# Altium PCB CM4-Tower.PcbDoc (part 8 of 10) (continued)
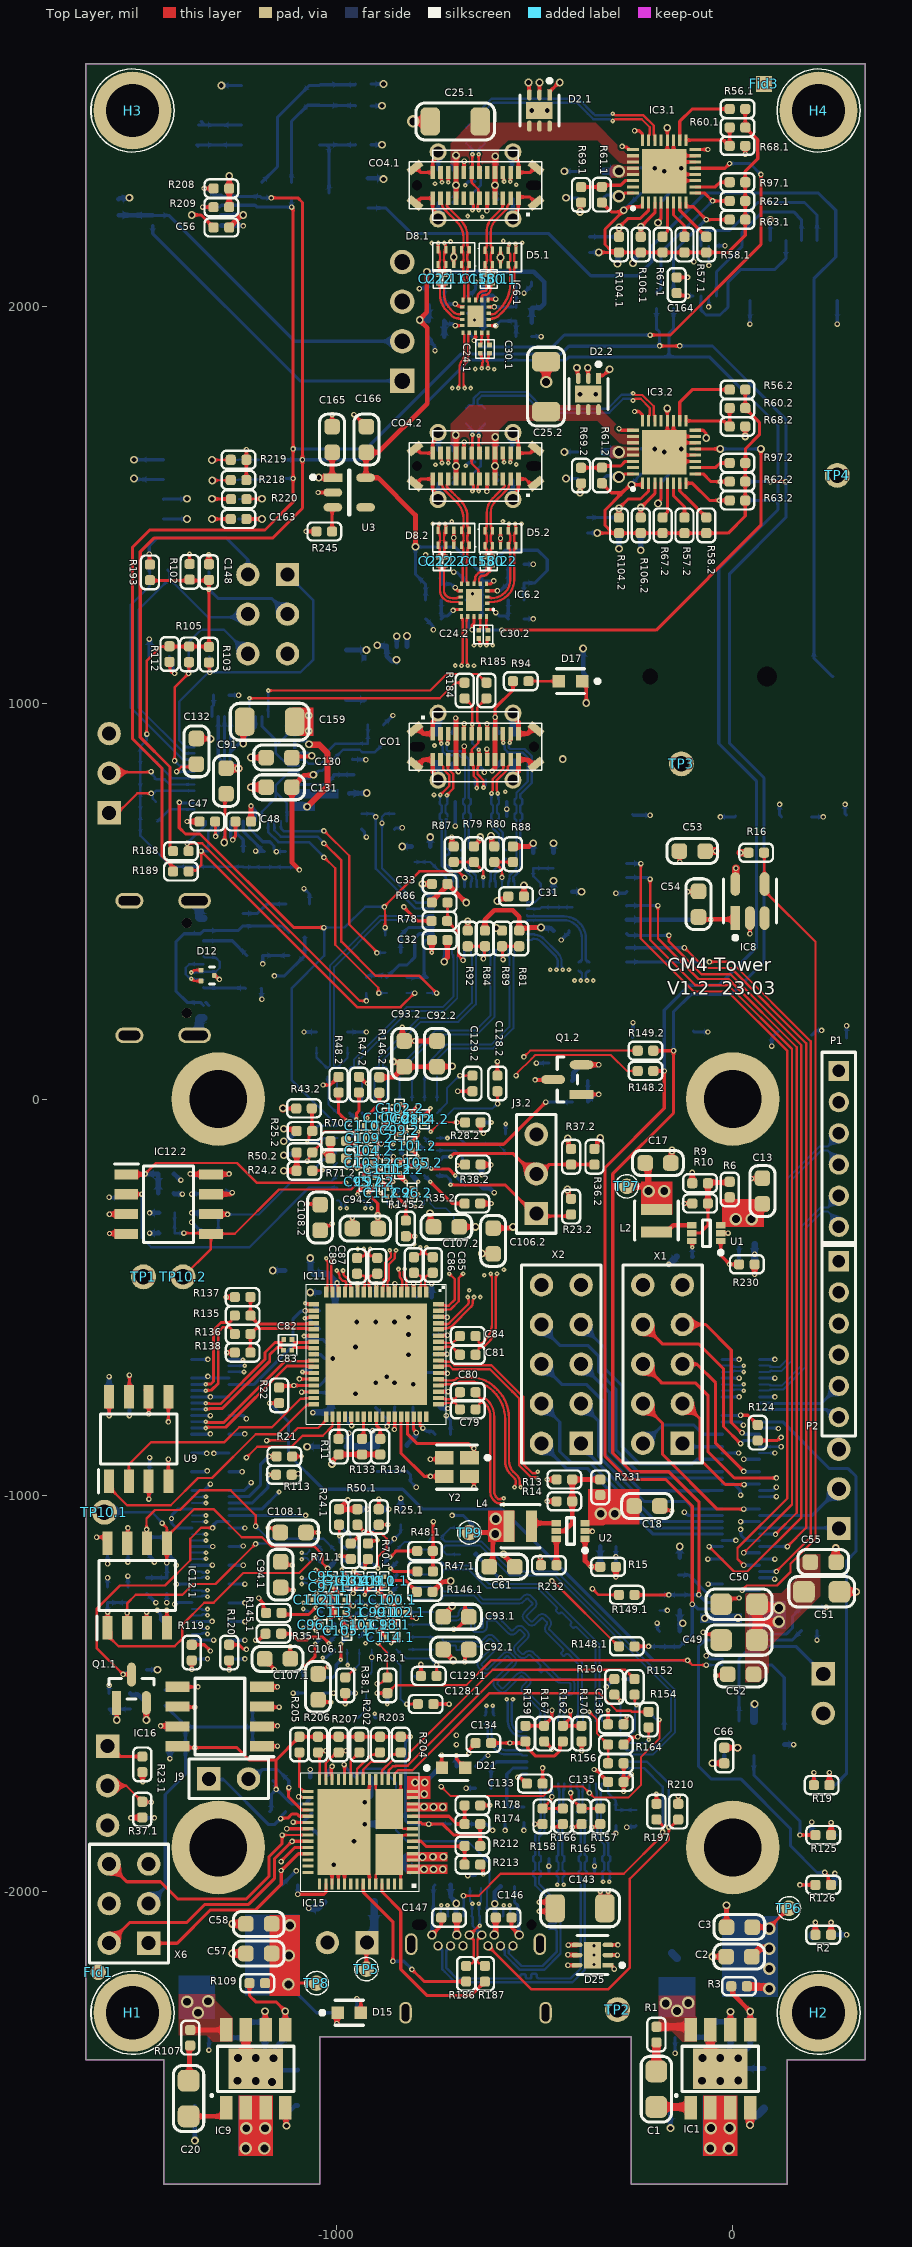
[diagram p0: Top Layer view]
## Nets (pads, with @x,y where several pads share a name; then routed paths per layer and width w, separated by ;. In a path a pad name is that pad's centre, name@x,y a point inside that pad or via, vN(x,y) a via of type N, cw(c..) or ccw(c..) an arc to the next point about the centre after c; other vN are vias at no path point) (continued)
TX1_DFP.2_N: C158.2.1 CO4.2.3 D5.2.1 D5.2.10 | length 221.7
  Top Layer w5.91: C158.2.1@-625.98,1368.7 ccw(c-637.87,1380.58) -621.06,1380.58 -621.06,1385.15 ccw(c-626.97,1385.15) -622.79,1389.32 -624.52,1391.05 -625,1391.05 cw(c-622.62,1393.43) -625.98,1393.43 D5.2.1@-625.98,1397.45 -625.98,1401.47 cw(c-622.62,1401.47) -625,1403.85 -624.52,1403.85 -622.79,1405.58 ccw(c-626.97,1409.75) -621.06,1409.75 -621.06,1420.1 ccw(c-632.87,1420.1) -624.52,1428.45 -625,1428.45 -625.49,1428.95 cw(c-624.3,1430.14) -625.98,1430.14 D5.2.10@-625.98,1434.85 -625.98,1439.57 cw(c-624.3,1439.57) -625.5,1440.75 -625,1441.25 -624.52,1441.25 ccw(c-632.87,1449.6) -621.06,1449.6 -621.06,1480.75 cw(c-570.14,1480.75) -606.15,1516.76 -596.51,1526.4 ; -595.11,1527.8 -585.07,1537.83 ccw(c-589.25,1542.01) -584.71,1538.23 cw(c-555.12,1513.78) -579.6,1543.34 ccw(c-583.35,1547.91) -579.2,1543.7 -575.79,1547.12 -575.79,1547.24 ccw(c-582.44,1547.24) -577.74,1551.95 -578.25,1552.46 cw(c-572.31,1558.4) -580.71,1558.4 CO4.2.3@-580.71,1565.75
TX1_DFP.2_P: C150.2.1 CO4.2.2 D5.2.2 D5.2.9 | length 223.7
  Top Layer w5.91: D5.2.9@-606.79,1428.95 -607.28,1428.45 -607.76,1428.45 ccw(c-599.41,1420.1) -611.22,1420.1 -611.22,1409.75 ccw(c-605.31,1409.75) -609.49,1405.58 -607.76,1403.85 -607.28,1403.85 cw(c-609.66,1401.47) -606.3,1401.47 D5.2.2@-606.3,1397.45 -606.3,1393.43 cw(c-609.66,1393.43) -607.28,1391.05 -607.76,1391.05 -609.49,1389.32 ccw(c-605.31,1385.15) -611.22,1385.15 -611.22,1380.58 ccw(c-594.42,1380.58) C150.2.1@-606.3,1368.7 ; D5.2.9@-606.79,1440.76 -607.28,1441.25 -607.76,1441.25 cw(c-599.41,1449.6) -611.22,1449.6 -611.22,1480.7 cw(c-570.03,1480.7) -599.15,1509.83 -578.08,1530.9 ccw(c-589.25,1542.01) -577.18,1531.89 cw(c-555.12,1513.78) -573.29,1535.79 ; D5.2.9@-606.79,1428.95 ccw(c-607.98,1430.14) -606.3,1430.14 D5.2.9@-606.3,1434.85 -606.3,1439.57 ccw(c-607.98,1439.57) D5.2.9@-606.79,1440.75 ; -573.26,1535.81 ccw(c-583.35,1547.91) -572.24,1536.74 -568.8,1540.18 ccw(c-575.7,1547.08) -565.94,1547.08 -565.94,1547.24 cw(c-559.29,1547.24) -564,1551.95 -563.48,1552.46 ccw(c-569.42,1558.4) -561.02,1558.4 CO4.2.2@-561.02,1565.75
TX1_DFP_C.1_N: C158.1.2 IC6.1.7 | length 59.7
  Top Layer w5.91: IC6.1.7@-649.61,2017.72 cw(c-644.85,2017.72) -648.22,2021.07 -645.97,2023.32 ccw(c-650.75,2028.11) -643.99,2028.11 cw(c-637.22,2028.11) -642.01,2032.89 -639.33,2035.56 cw(c-628.3,2024.54) -628.3,2040.13 -627.22,2040.13 ccw(c-627.22,2046.04) -623.05,2041.86 ccw(c-627.22,2046.04) -621.32,2046.04 -621.32,2049.35 ccw(c-624.45,2049.35) -622.24,2051.57 cw(c-620.02,2053.79) -623.15,2053.79 -623.15,2054.95 ccw(c-629.09,2054.95) -624.89,2059.15 C158.1.2@-626.11,2060.36
TX1_DFP_C.1_P: C150.1.2 IC6.1.6 | length 57.5
  Top Layer w5.91: IC6.1.6@-633.86,2017.72 -634.14,2018 -634.14,2024.39 cw(c-628.24,2024.39) -632.41,2028.56 cw(c-628.24,2024.39) -628.24,2030.29 -625.69,2030.29 ccw(c-625.69,2042.34) -617.17,2033.82 -616.04,2034.95 ccw(c-627.06,2045.97) -611.47,2045.97 -611.47,2049.26 cw(c-608.11,2049.26) -610.49,2051.64 ccw(c-612.87,2054.01) -609.51,2054.01 -609.51,2054.82 cw(c-604.19,2054.82) -607.95,2058.58 C150.1.2@-606.55,2059.98
TX1_DFP_C.2_N: C158.2.2 IC6.2.7 | length 65.9
  Top Layer w5.91: IC6.2.7@-653.54,1301.18 -653.54,1303.15 ccw(c-655.92,1305.53) -652.56,1305.53 -652.56,1307.4 cw(c-649.2,1307.4) -651.57,1309.77 ccw(c-653.95,1312.15) -650.59,1312.15 -650.59,1315.24 cw(c-639.76,1315.24) -647.42,1322.89 -642.65,1327.67 cw(c-633.54,1318.56) -633.54,1331.44 ccw(c-633.54,1344.32) -624.43,1335.21 -621.06,1338.58 ccw(c-631.52,1338.58) -624.13,1345.98 C158.2.2@-625.98,1347.83
TX1_DFP_C.2_P: C150.2.2 IC6.2.6 | length 65.7
  Top Layer w5.91: IC6.2.6@-637.8,1301.18 ccw(c-642.55,1301.18) -639.19,1304.54 -639.27,1304.63 cw(c-635.71,1308.19) -640.75,1308.19 -640.75,1311.44 cw(c-630.59,1311.44) -637.77,1318.62 cw(c-630.59,1311.44) -630.59,1321.6 -629.46,1321.6 ccw(c-629.46,1334.48) -620.36,1325.37 -614.08,1331.65 ccw(c-620.97,1338.55) -611.22,1338.55 ; -611.22,1338.58 cw(c-600.77,1338.58) -608.16,1345.98 C150.2.2@-606.3,1347.83
TX1_N: C139.1 CO5.3 D20.5 D20.6 | length 438.7
  Layer 6 w3.94: v2(-578.74,-2035.43) -578.74,-2033.3 -574.8,-2029.37 -574.8,-1984.93 -542.63,-1952.76 -447.53,-1952.76 -431.1,-1969.18 -431.1,-1978.18 -427.17,-1982.12 v2(-427.17,-1984.25)
  Bottom Layer w5.91: CO5.3@-580.71,-2062.99 -579.72,-2062.01 -579.72,-2036.42 v2(-578.74,-2035.43) ; v2(-427.17,-1984.25) -428.3,-1983.12 -428.3,-1977.99 -430.12,-1976.17 -430.12,-1965.57 -426.66,-1962.11 -426.18,-1962.11 -425.2,-1961.12 D20.6@-425.2,-1955.71 -425.2,-1950.3 -426.18,-1949.31 -426.66,-1949.31 -430.12,-1945.85 -430.12,-1928.16 -426.66,-1924.7 -426.18,-1924.7 -425.2,-1923.72 D20.5@-425.2,-1918.31 -425.2,-1912.89 -426.18,-1911.91 -426.66,-1911.91 -430.6,-1907.97 -430.6,-1830.32 -424.69,-1824.41 -424.21,-1824.41 C139.1@-421.26,-1821.46
TX1_P: C137.1 CO5.2 D20.4 D20.7 | length 438.7
  Layer 6 w3.94: v2(-562.99,-2035.43) -562.99,-2033.3 -566.93,-2029.37 -566.93,-1988.19 -539.37,-1960.63 -523.62,-1960.63 -509.84,-1960.63 cw(c-509.84,-1964.57) -505.91,-1964.57 -505.91,-1975.18 ccw(c-502.95,-1975.18) -502.95,-1978.13 -497.05,-1978.13 ccw(c-497.05,-1975.18) -494.09,-1975.18 -494.09,-1964.57 cw(c-490.16,-1964.57) -490.16,-1960.63 -452.76,-1960.63 -450.79,-1960.63 -438.98,-1972.44 -438.98,-1978.18 -442.91,-1982.12 v2(-442.91,-1984.25)
  Bottom Layer w5.91: v2(-562.99,-2035.43) -562.01,-2036.42 -562.01,-2062.01 CO5.2@-561.02,-2062.99 ; C137.1@-444.88,-1821.46 -440.45,-1825.89 -440.45,-1827.87 -440.45,-1908.46 -444.88,-1912.89 D20.4@-444.88,-1918.31 -444.88,-1923.72 -443.9,-1924.7 -443.42,-1924.7 -439.96,-1928.16 -439.96,-1945.85 -443.42,-1949.31 -443.9,-1949.31 -444.88,-1950.3 D20.7@-444.88,-1955.71 -444.88,-1961.12 -443.9,-1962.11 -443.42,-1962.11 -439.96,-1965.57 -439.96,-1976.17 -441.78,-1977.99 -441.78,-1983.12 v2(-442.91,-1984.25)
TX2_C_N: C142.2 IC14.34 | length 76
  Bottom Layer w5.91: C142.2@-393.7,-1800.59 -389.2,-1796.09 -389.2,-1794.18 -389.2,-1783.63 -389.2,-1744.66 -393.7,-1740.16 IC14.34@-393.7,-1728.35
TX2_C_P: C141.2 IC14.33 | length 76.9
  Bottom Layer w5.91: IC14.33@-377.95,-1728.35 -378.94,-1729.33 -378.94,-1743.11 -379.36,-1743.53 -379.36,-1779.12 -379.36,-1791.79 -373.51,-1797.64 -373.03,-1797.64 C141.2@-370.08,-1800.59
TX2_DFP.1_N: C22.1.1 CO4.1.23 D8.1.4 D8.1.7 | length 286.6
  Top Layer w5.91: v2(-728.35,2161.42) -728.35,2159.82 -725.39,2156.87 -725.39,2145.67 D8.1.4@-724.41,2144.69 -724.41,2139.97 cw(c-726.09,2139.97) -724.9,2138.78 -725.39,2138.29 -725.87,2138.29 ccw(c-717.52,2129.94) -729.33,2129.94 -729.33,2119.59 ccw(c-723.43,2119.59) -727.6,2115.41 -725.87,2113.68 -725.39,2113.68 cw(c-727.77,2111.3) -724.41,2111.3 D8.1.7@-724.41,2107.28 -724.41,2102.57 cw(c-726.09,2102.57) -724.9,2101.38 -725.39,2100.89 -725.87,2100.89 ccw(c-717.52,2092.53) -729.33,2092.53 ccw(c-714.09,2092.53) -724.87,2081.76 C22.1.1@-724.41,2081.3 ; v2(-718.5,2314.96) CO4.1.23@-718.5,2339.76
  Layer 3 w3.94: v2(-728.35,2161.42) ccw(c-733.49,2161.42) -729.85,2165.05 -730.32,2165.52 cw(c-725.56,2170.27) -732.28,2170.27 -732.28,2170.92 cw(c-724.41,2170.92) -729.98,2176.49 -729.7,2176.49 -708.62,2197.56 ccw(c-727.54,2216.48) -700.79,2216.48 -700.79,2231.44 ccw(c-740.84,2231.44) -712.52,2259.76 -712.6,2259.84 cw(c-688.84,2283.6) -722.44,2283.6 -722.44,2305.46 cw(c-714.14,2305.46) -720.01,2311.32 ccw(c-723.65,2314.96) v2(-718.5,2314.96)
TX2_DFP.1_P: C21.1.1 CO4.1.22 D8.1.5 D8.1.6 | length 286.7
  Top Layer w5.91: C21.1.1@-744.09,2081.3 -743.64,2081.76 ccw(c-754.41,2092.53) -739.17,2092.53 ccw(c-750.99,2092.53) -742.63,2100.89 -743.11,2100.89 -743.6,2101.38 cw(c-742.41,2102.57) -744.09,2102.57 D8.1.6@-744.09,2107.28 -744.09,2111.3 cw(c-740.73,2111.3) -743.11,2113.68 -742.63,2113.68 -740.9,2115.41 ccw(c-745.08,2119.59) -739.17,2119.59 -739.17,2129.94 ccw(c-750.98,2129.94) -742.63,2138.29 -743.11,2138.29 -743.6,2138.78 cw(c-742.41,2139.97) -744.08,2139.73 cw(c-742.41,2139.97) -744.09,2139.97 D8.1.5@-744.09,2144.69 v2(-744.09,2161.42) ; CO4.1.22@-738.19,2339.76 -735.99,2337.56 -735.99,2326.74 -735.38,2326.13 -735.38,2316.09 v2(-734.25,2314.96)
  Layer 3 w3.94: v2(-744.09,2161.42) cw(c-738.95,2161.42) -742.6,2165.05 -742.13,2165.52 ccw(c-746.88,2170.27) -740.16,2170.27 -740.16,2172.47 cw(c-728.13,2172.47) -736.64,2180.97 -733.24,2184.36 -732.96,2184.36 -714.23,2203.09 ccw(c-727.67,2216.54) -708.66,2216.54 -708.66,2231.33 ccw(c-741.11,2231.33) -718.17,2254.27 ; v2(-734.25,2314.96) ccw(c-729.11,2314.96) -732.75,2311.32 cw(c-738.61,2305.46) -730.31,2305.46 -730.31,2283.56 ccw(c-688.94,2283.56) -718.2,2254.3
TX2_DFP.2_N: C22.2.1 CO4.2.23 D8.2.4 D8.2.7 | length 287
  Top Layer w5.91: v2(-725.77,1452.37) cw(c-727.42,1450.73) -725.09,1450.73 -725.09,1437.48 ccw(c-722.76,1437.48) D8.2.4@-724.41,1435.84 -724.41,1431.12 cw(c-726.09,1431.12) -724.9,1429.94 -725.39,1429.44 -725.87,1429.44 ccw(c-717.52,1421.09) -729.33,1421.09 -729.33,1410.74 ccw(c-723.43,1410.74) -727.6,1406.56 -725.87,1404.83 -725.39,1404.83 cw(c-727.77,1402.46) -724.41,1402.46 D8.2.7@-724.41,1398.44 -724.41,1393.72 cw(c-726.09,1393.72) -724.9,1392.53 -725.39,1392.04 -725.87,1392.04 ccw(c-717.52,1383.69) -729.33,1383.69 -729.33,1380.58 ccw(c-712.53,1380.58) C22.2.1@-724.41,1368.7 ; v2(-718.5,1606.11) CO4.2.23@-718.5,1630.92
  Layer 3 w3.94: v2(-725.77,1452.37) ccw(c-730.92,1452.37) -727.27,1456 -727.74,1456.47 cw(c-722.99,1461.22) -729.71,1461.22 -729.71,1465.1 cw(c-713.64,1465.1) -725,1476.46 -711.42,1490.05 ccw(c-737.07,1515.71) -700.79,1515.71 -700.79,1530.58 ccw(c-741.01,1530.58) -712.57,1559.03 ; v2(-718.5,1606.11) cw(c-723.65,1606.11) -720.01,1602.47 ccw(c-714.14,1596.61) -722.44,1596.61 -722.44,1582.82 ccw(c-688.84,1582.82) -712.6,1559.06
TX2_DFP.2_P: C21.2.1 CO4.2.22 D8.2.5 D8.2.6 | length 289.1
  Top Layer w5.91: C21.2.1@-744.09,1368.7 ccw(c-755.98,1380.58) -739.17,1380.58 -739.17,1383.69 ccw(c-750.99,1383.69) -742.63,1392.04 -743.11,1392.04 -743.6,1392.53 cw(c-742.41,1393.72) -744.09,1393.72 D8.2.6@-744.09,1398.44 -744.09,1402.46 cw(c-740.73,1402.46) -743.11,1404.83 -742.63,1404.83 -740.9,1406.56 ccw(c-745.08,1410.74) -739.17,1410.74 -739.17,1421.09 ccw(c-750.98,1421.09) -742.63,1429.44 -743.11,1429.44 -743.6,1429.93 cw(c-742.41,1431.12) -744.09,1431.12 D8.2.5@-744.09,1435.84 ccw(c-746.47,1438.21) -743.11,1438.21 -743.11,1448.06 cw(c-740.4,1448.06) -742.32,1449.98 ccw(c-744.23,1451.9) -741.52,1451.9 v2(-741.52,1452.37) ; CO4.2.22@-738.19,1630.92 -735.99,1628.72 -735.99,1617.89 -735.38,1617.28 -735.38,1607.24 v2(-734.25,1606.11)
  Layer 3 w3.94: v2(-741.52,1452.37) cw(c-736.38,1452.37) -740.02,1456 -739.55,1456.47 ccw(c-744.3,1461.22) -737.58,1461.22 -737.58,1466.73 cw(c-717.58,1466.73) -731.72,1480.87 -717.01,1495.59 ccw(c-737.18,1515.75) -708.66,1515.75 -708.66,1530.54 ccw(c-741.11,1530.54) -718.17,1553.49 ; v2(-734.25,1606.11) ccw(c-729.11,1606.11) -732.75,1602.47 cw(c-738.61,1596.61) -730.31,1596.61 -730.31,1582.77 ccw(c-688.94,1582.77) -718.2,1553.52
TX2_DFP_C.1_N: C22.1.2 IC6.1.11 | length 106.8
  Top Layer w5.91: C22.1.2@-724.41,2060.43 ccw(c-712.53,2048.55) -729.33,2048.55 -729.33,2033.22 ccw(c-675.51,2033.22) -713.57,1995.16 -706.42,1988.02 ccw(c-690.2,2004.25) -690.2,1981.3 ccw(c-690.2,1986.63) -686.43,1982.86 cw(c-683.07,1979.5) IC6.1.11@-683.07,1984.25
TX2_DFP_C.1_P: C21.1.2 IC6.1.12 | length 122.9
  Top Layer w5.91: C21.1.2@-744.09,2060.43 cw(c-755.98,2048.55) -739.17,2048.55 -739.17,2031.18 ccw(c-680.43,2031.18) -721.98,1989.65 -710.67,1978.35 ccw(c-694.04,1994.98) -694.04,1971.46 cw(c-694.04,1968.1) -691.66,1970.47 ccw(c-689.29,1972.85) -689.29,1969.49 -685.45,1969.49 cw(c-685.45,1966.13) IC6.1.12@-683.07,1968.5
TX2_DFP_C.2_N: C22.2.2 IC6.2.11 | length 118.8
  Top Layer w5.91: C22.2.2@-724.41,1347.83 ccw(c-712.53,1335.95) -729.33,1335.95 -729.33,1283.53 ccw(c-712.53,1283.53) -724.41,1271.65 ccw(c-707.78,1288.29) -707.78,1264.76 -697.97,1264.76 ccw(c-697.97,1268.12) -695.6,1265.75 cw(c-693.22,1263.37) -693.22,1266.73 -689.38,1266.73 ccw(c-689.38,1270.09) IC6.2.11@-687.01,1267.72
TX2_DFP_C.2_P: C21.2.2 IC6.2.12 | length 134.3
  Top Layer w5.91: C21.2.2@-744.09,1347.83 cw(c-755.98,1335.95) -739.17,1335.95 -739.17,1283.48 ccw(c-712.67,1283.48) -731.41,1264.73 -731.35,1264.68 ccw(c-707.8,1288.23) -707.8,1254.92 -694.02,1254.92 cw(c-694.02,1249.88) -690.45,1253.44 -690.37,1253.36 ccw(c-687.01,1256.72) IC6.2.12@-687.01,1251.97
TX2_N: C142.1 CO5.23 D22.5 D22.6 | length 838.3
  Bottom Layer w5.91: CO5.23@-712.6,-2138.19 -712.6,-2139.68 -723.43,-2150.51 -723.43,-2193.9 -720.47,-2196.85 -696.85,-2220.47 -586.61,-2220.47 -542.32,-2220.47 ccw(c-542.32,-2214.57) -536.42,-2214.57 -536.42,-2213.67 cw(c-532.97,-2213.67) -532.97,-2210.22 -526.08,-2210.22 cw(c-526.08,-2213.67) -522.64,-2213.67 -522.64,-2217.03 ccw(c-519.19,-2217.03) -519.19,-2220.47 -512.3,-2220.47 ccw(c-512.3,-2217.03) -508.86,-2217.03 -508.86,-2212.11 cw(c-505.41,-2212.11) -505.41,-2208.66 -498.52,-2208.66 cw(c-498.52,-2212.11) -495.08,-2212.11 -495.08,-2214.57 ccw(c-489.17,-2214.57) -489.17,-2220.47 -472.44,-2220.47 -409.45,-2220.47 -383.68,-2194.71 -383.68,-1965.57 -387.14,-1962.11 -387.62,-1962.11 -388.6,-1961.12 D22.5@-388.6,-1955.71 -388.6,-1950.3 -387.62,-1949.31 -387.14,-1949.31 -383.68,-1945.85 -383.68,-1928.16 -387.14,-1924.7 -387.62,-1924.7 -388.6,-1923.72 D22.6@-388.6,-1918.31 -388.6,-1912.89 -387.62,-1911.91 -387.46,-1911.91 -384,-1908.45 -384,-1874.65 -384,-1830.68 -390.27,-1824.41 -390.75,-1824.41 C142.1@-393.7,-1821.46
TX2_P: C141.1 CO5.22 D22.4 D22.7 | length 838.3
  Bottom Layer w5.91: CO5.22@-744.09,-2138.19 -744.09,-2139.68 -733.27,-2150.51 -733.27,-2197.97 -727.5,-2203.74 -700.93,-2230.31 -405.37,-2230.31 -373.84,-2198.78 -373.84,-1965.57 -370.38,-1962.11 -369.9,-1962.11 -368.92,-1961.12 D22.4@-368.92,-1955.71 -368.92,-1950.3 -369.9,-1949.31 -370.38,-1949.31 -373.84,-1945.85 -373.84,-1928.16 -370.38,-1924.7 -369.9,-1924.7 -368.92,-1923.72 D22.7@-368.92,-1918.31 -368.92,-1912.89 -374.16,-1907.65 -374.16,-1870.57 -374.16,-1827.87 -373.03,-1826.74 -373.03,-1824.41 C141.1@-370.08,-1821.46
TX_REXT.1: IC2.1.H3 R146.1.1 | length 95.4
  Top Layer w7.87: v2(-861.04,-1215.93) -825.8,-1215.93 R146.1.1@-797.46,-1244.27
  Bottom Layer w7.87: v2(-861.04,-1215.93) -861.04,-1214.86 -848.64,-1202.46 IC2.1.H3@-848.64,-1200.97
TX_REXT.2: IC2.2.H3 R146.2.1 | length 94.3
  Top Layer w7.87: v2(-922.89,-47.83) -922.14,-47.08 -922.14,-41.38 -892.56,-11.81 R146.2.1@-892.56,15.75
  Bottom Layer w7.87: IC2.2.H3@-935.87,-35.43 -935.58,-35.43 -923.18,-47.83 v2(-922.89,-47.83)
TXD0: J1.1 J5.55 | length 201.4
  Bottom Layer w7.87: J5.55@66.93,-1082.68 266.14,-1082.68 J1.1@267.72,-1084.25
TXD.1: IC2.1.D9 J3.1.2 R36.1.2 R37.1.1 | length 920.3
  Top Layer w5.91: J3.1.2@-1578.74,-1733.86 -1531.5,-1733.86 -1490.35,-1775.01 -1469.09,-1775.01 v1(-1468.5,-1775.59)
  Layer 3 w5.91: J3.1.2@-1574.8,-1737.8 -1459.05,-1622.05 -1224.41,-1622.05 -1161.42,-1559.06 -1102.36,-1559.06 v2(-972.44,-1429.13)
  Bottom Layer w3.94: IC2.1.D9@-974.62,-1389.94 -973.53,-1391.04 -973.53,-1428.04 v2(-972.44,-1429.13)
  Bottom Layer w5.91: R36.1.2@-1490.93,-1775.43 -1490.85,-1775.51 -1468.59,-1775.51 v1(-1468.5,-1775.59)
TXD.2: IC2.2.D9 J3.2.2 R36.2.2 R37.2.1 | length 483.2
  Top Layer w3.94: J3.2.2@-499.53,-216.06 J3.2.2@-472.44,-188.98
  Top Layer w7.87: v2(-712.6,-145.67) -704.72,-137.8 -553.98,-137.8 -494.93,-196.85 -463.43,-165.35 R37.2.1@-408.31,-165.35 R36.2.2@-349.26,-165.35
  Bottom Layer w7.87: IC2.2.D9@-746.9,-161.42 -731.15,-145.67 v2(-712.6,-145.67)
USB1_RX_N: C140.2 IC11.56 | length 1137.3
  Top Layer w5.91: IC11.56@-742.92,-707.55 ccw(c-736.75,-701.37) -736.75,-710.11 -725.05,-710.11 cw(c-725.05,-711.45) -724.1,-710.5 -707.81,-710.5 ccw(c-707.81,-698.96) -699.65,-707.12 cw(c-691.48,-715.29) -691.48,-703.74 -657.34,-703.74 cw(c-657.34,-782.15) -601.9,-726.7 -594.49,-734.11 ; -594.46,-734.14 cw(c-665.77,-805.4) -564.96,-805.4 -564.96,-913.39 ccw(c-524.9,-913.39) -553.27,-941.67 -544.4,-950.54 cw(c-558.82,-965.02) -544.33,-950.61 cw(c-558.82,-965.02) -538.39,-965.02 -538.39,-970.94 ccw(c-535.27,-970.94) -537.47,-973.14 cw(c-539.67,-975.34) -536.56,-975.34 -536.56,-977.59 ccw(c-532.71,-977.59) -536.46,-978.47 ccw(c-532.71,-977.59) v2(-535.43,-980.31)
  Layer 3 w3.94: v2(-622.05,-1531.5) ccw(c-616.9,-1531.5) v2@-620.55,-1535.13 ; v2@-620.54,-1535.13 -620.08,-1535.6 cw(c-624.83,-1540.35) -618.11,-1540.35 -618.11,-1540.91 ccw(c-610.02,-1540.91) -615.75,-1546.62 -614.64,-1547.73 ccw(c-606.31,-1539.4) -606.31,-1551.18 -558.59,-1551.18 ccw(c-558.59,-1493.66) -517.91,-1534.33 -515.58,-1532 ccw(c-534.18,-1513.4) -507.87,-1513.47 ccw(c-534.18,-1513.4) -507.87,-1513.4 -507.87,-1079.84 ccw(c-561.64,-1079.84) -523.62,-1041.82 cw(c-485.6,-1003.8) -539.37,-1003.8 -539.37,-989.82 cw(c-531.07,-989.82) v2@-536.94,-983.96 ; v2@-536.93,-983.95 ccw(c-540.58,-980.31) v2(-535.43,-980.31)
  Bottom Layer w5.91: C140.2@-625.98,-1556.5 -623.18,-1553.69 -623.18,-1532.63 v2(-622.05,-1531.5)
USB1_RX_P: C138.2 IC11.55 | length 1095.9
  Top Layer w5.91: IC11.55@-742.92,-723.3 cw(c-736.75,-729.48) -736.75,-720.74 -725.05,-720.74 ccw(c-725.05,-719.4) -724.1,-720.35 -703.74,-720.35 ccw(c-703.74,-708.8) -695.57,-716.96 cw(c-687.41,-725.13) -687.41,-713.58 -661.42,-713.58 cw(c-661.42,-792) -605.99,-736.53 ; -605.97,-736.55 -604.09,-738.43 cw(c-674.8,-809.14) -574.8,-809.14 -574.8,-913.44 ccw(c-525.04,-913.44) -560.23,-948.63 -551.33,-957.53 ; -551.32,-957.54 cw(c-558.82,-965.02) -548.23,-965.02 -548.23,-970.94 cw(c-551.34,-970.94) -549.14,-973.14 ccw(c-546.94,-975.34) -550.05,-975.34 -550.05,-977.59 cw(c-553.91,-977.59) v2(-551.18,-980.31)
  Layer 3 w3.94: v2@-607.81,-1535.13 -608.96,-1536.29 ccw(c-605.88,-1539.37) -610.24,-1539.37 ccw(c-606.3,-1539.37) -609.08,-1542.15 ccw(c-606.3,-1539.37) -606.3,-1543.31 -558.62,-1543.31 ccw(c-558.62,-1493.58) -523.45,-1528.74 ccw(c-542.05,-1510.14) -515.75,-1510.21 ccw(c-542.05,-1510.14) -515.75,-1510.14 -515.75,-1083.1 ccw(c-569.52,-1083.1) -531.5,-1045.08 cw(c-493.48,-1007.06) -547.24,-1007.06 -547.24,-989.82 ccw(c-555.54,-989.82) -549.67,-983.96 cw(c-546.04,-980.31) v2(-551.18,-980.31) ; v2@-607.8,-1535.13 ccw(c-611.44,-1531.5) v2(-606.3,-1531.5)
  Bottom Layer w5.91: v2(-606.3,-1531.5) -605.17,-1532.63 -605.17,-1553.69 C138.2@-602.36,-1556.5
USB1_TX_C_N: C80.2 IC11.53 | length 64.8
  Top Layer w5.91: IC11.53@-742.92,-754.8 -740.36,-757.35 -724.49,-757.35 -724.1,-757.75 -711.55,-757.75 -710.69,-756.89 -701.72,-756.89 -698.26,-753.43 -698.26,-751.31 -688.98,-742.02 C80.2@-688.98,-740.16
USB1_TX_C_P: C79.2 IC11.52 | length 64.8
  Top Layer w5.91: IC11.52@-742.92,-770.54 -740.36,-767.98 -724.49,-767.98 -724.1,-767.59 -707.47,-767.59 -706.61,-766.73 -701.72,-766.73 -698.26,-770.19 -698.26,-772.31 -688.98,-781.6 C79.2@-688.98,-783.46
USB1_TX_N: C80.1 IC14.7 | length 1005.7
  Top Layer w5.91: C80.1@-649.61,-740.16 -649.61,-742.02 -640.32,-751.31 -640.32,-753.43 -636.86,-756.89 -626.93,-756.89 cw(c-626.93,-766.58) -620.08,-759.73 -619.97,-759.84 cw(c-662.48,-802.34) -602.36,-802.34 -602.36,-992.65 ccw(c-584.19,-992.65) -597.04,-1005.5 -593.45,-1009.1 ccw(c-589.27,-1004.92) -589.27,-1010.83 -588.11,-1010.83 ccw(c-588.11,-1007.71) -585.91,-1009.92 cw(c-583.71,-1012.12) -583.71,-1009 -581.47,-1009 ccw(c-581.47,-1005.15) v2(-578.74,-1007.87)
  Layer 3 w3.94: v2@-582.38,-1009.38 cw(c-588.24,-1003.51) -588.24,-1011.81 -600.25,-1011.81 ccw(c-600.25,-1045.42) -624.02,-1021.65 -626.37,-1024.01 ccw(c-608.31,-1042.08) -633.86,-1042.08 -633.86,-1175.14 ccw(c-526.05,-1175.14) -602.35,-1251.31 ccw(c-526.05,-1175.14) -602.28,-1251.37 -596.23,-1257.43 cw(c-666.85,-1328.11) -566.93,-1328.11 -566.93,-1328.18 -566.93,-1506.9 cw(c-573.65,-1506.9) -568.9,-1511.65 -569.37,-1512.12 ccw(c-565.72,-1515.75) v2(-570.87,-1515.75) ; v2@-582.37,-1009.37 cw(c-578.74,-1013.02) v2(-578.74,-1007.87)
  Bottom Layer w5.91: v2(-570.87,-1515.75) cw(c-573.59,-1518.48) -569.74,-1518.48 -569.74,-1520.72 ccw(c-566.62,-1520.72) -568.82,-1522.92 cw(c-571.03,-1525.12) -567.91,-1525.12 -567.91,-1570.96 ccw(c-528.12,-1570.96) -556.26,-1599.1 -553.43,-1601.93 ccw(c-540.49,-1588.99) -542.47,-1607.18 cw(c-543.14,-1613.04) -542.27,-1607.2 ccw(c-541.22,-1600.39) -541.22,-1607.28 ccw(c-541.22,-1600.39) -541.03,-1607.28 cw(c-540.91,-1613.19) -540.84,-1607.28 ccw(c-540.49,-1588.99) -540.49,-1607.28 cw(c-540.49,-1610.64) -538.12,-1608.26 ccw(c-535.74,-1605.89) -535.74,-1609.25 -522.06,-1609.25 cw(c-522.06,-1612.61) IC14.7@-519.68,-1610.24
USB1_TX_P: C79.1 IC14.8 | length 977.3
  Top Layer w5.91: C79.1@-649.61,-783.46 -649.61,-781.6 -640.32,-772.31 -640.32,-770.19 -636.86,-766.73 -626.99,-766.73 cw(c-662.7,-802.43) -612.2,-802.43 -612.2,-992.71 ccw(c-584.33,-992.71) -604.04,-1012.42 -598.96,-1017.5 ccw(c-591.31,-1009.84) -591.31,-1020.67 -588.11,-1020.67 cw(c-588.11,-1023.78) -585.91,-1021.58 ccw(c-583.71,-1019.38) -583.71,-1022.49 -581.47,-1022.49 cw(c-581.47,-1026.35) v2(-578.74,-1023.62)
  Layer 3 w3.94: -620.77,-1029.54 ccw(c-608.13,-1042.15) -625.98,-1042.15 -625.98,-1175.11 ccw(c-525.98,-1175.11) -596.69,-1245.83 -590.49,-1252.03 cw(c-666.85,-1328.11) -559.13,-1324 -559.1,-1324.8 cw(c-666.59,-1328.01) -559.06,-1328.01 -559.06,-1328.08 -559.06,-1506.9 ccw(c-552.33,-1506.9) -557.09,-1511.65 -556.62,-1512.11 cw(c-560.26,-1515.75) v2(-555.12,-1515.75) ; -620.75,-1029.53 cw(c-596.99,-1053.29) -596.99,-1019.69 -588.24,-1019.68 cw(c-588.24,-1027.98) -582.38,-1022.11 ccw(c-578.74,-1018.48) v2(-578.74,-1023.62)
  Bottom Layer w5.91: v2(-555.12,-1515.75) ccw(c-552.39,-1518.48) -556.25,-1518.48 -556.25,-1520.72 cw(c-559.36,-1520.72) -557.16,-1522.92 ccw(c-554.96,-1525.12) -558.07,-1525.12 -558.07,-1570.92 ccw(c-528.02,-1570.92) -549.27,-1592.17 ccw(c-536.54,-1579.44) -536.54,-1597.44 ccw(c-536.54,-1592.4) -532.98,-1595.97 cw(c-529.41,-1599.53) -529.41,-1594.49 IC14.8@-519.68,-1594.49
USB2_TX_C_N: C84.2 IC11.62 | length 61.2
  Top Layer w5.91: IC11.62@-742.92,-613.06 ccw(c-736.75,-606.89) -736.75,-615.62 -724.49,-615.62 ccw(c-723.54,-614.67) -723.54,-616.02 -719.2,-616.02 ; -719.17,-615.98 -717.66,-615.98 ccw(c-717.66,-587.3) -701.65,-611.09 ccw(c-717.66,-587.3) -697.38,-607.58 -689.51,-599.71 ccw(c-690.8,-598.43) C84.2@-688.98,-598.43
USB2_TX_C_P: C81.2 IC11.61 | length 62.6
  Top Layer w5.91: IC11.61@-742.92,-628.81 cw(c-736.75,-634.99) -736.75,-626.25 -724.49,-626.25 cw(c-723.54,-627.2) -723.54,-625.86 -715.13,-625.86 ; -715.09,-625.82 -712.82,-625.82 cw(c-712.82,-635.79) -711.99,-625.86 cw(c-712.82,-635.79) -705.78,-628.74 -688.98,-645.54 C81.2@-688.98,-645.67
USB3_DFP_RX.1_N: C30.1.2 IC11.14 | length 2611.5
  Top Layer w5.91: v2(-999.86,-433.07) -994.64,-440.68 cw(c-997.21,-442.44) -994.12,-442.08 -993.18,-450 ccw(c-983.27,-445.64) -990.92,-453.29 -986.83,-457.39 ccw(c-982.1,-452.66) -982.1,-459.35 cw(c-982.1,-465.25) -981.57,-459.37 cw(c-982.1,-465.25) -977.92,-461.08 cw(c-982.1,-465.25) -976.19,-465.25 -976.19,-467.7 cw(c-977.54,-467.7) -976.59,-468.65 -976.59,-480.9 cw(c-985.32,-480.9) IC11.14@-979.14,-487.08 ; C30.1.2@-637.8,1883.27 -634.84,1880.31 -634.84,1869.49 -630.91,1865.55 -630.91,1860.66 -632.74,1858.82 -632.74,1846.45 v2(-633.87,1845.32)
  Layer 3 w3.94: v2(-999.86,-433.07) -993.37,-425.62 -993.24,-425.01 -993.11,-423.57 -993.11,-400.43 ccw(c-1070.4,-400.43) -1015.75,-345.78 -1027.48,-334.05 -1056.36,-305.17 -1056.36,704.8 cw(c-1029.54,704.8) -1056.15,708.14 -1056.05,708.81 cw(c-1029.35,704.72) -1051.17,720.64 -1050.76,721.21 cw(c-1029.54,704.8) -1048.56,723.71 -1048.48,723.79 -1037.77,734.51 ccw(c-1043.44,740.16) -1035.43,740.16 -1035.43,1215.78 cw(c-929.05,1215.78) -1004.27,1291 -915.12,1380.16 ccw(c-985.83,1450.87) -885.83,1450.87 -885.83,1608.23 cw(c-778.05,1608.23) -885.83,1608.37 cw(c-778.05,1608.23) -854.26,1684.43 -733.98,1804.71 cw(c-680.73,1751.46) -680.73,1826.77 -652.78,1826.77 ccw(c-652.78,1857.38) -636.37,1831.54 -632.27,1834.86 -630.4,1836.74 ccw(c-634.07,1838.67) -629.97,1838.06 -629.97,1839.28 ccw(c-634.07,1838.67) -630.75,1841.16 v2(-633.87,1845.32)
USB3_DFP_RX.1_P: C24.1.2 IC11.13 | length 2604.4
  Top Layer w5.91: v2(-984.12,-433.07) -983.07,-443.83 -979.61,-447.29 -976.69,-449.69 cw(c-978.18,-455.81) -973.74,-451.34 -970.9,-454.18 cw(c-981.9,-465.17) -967.35,-459.67 cw(c-981.9,-465.17) -966.75,-461.69 cw(c-981.9,-465.17) -966.36,-464.62 -965.96,-476.01 -965.96,-480.9 ccw(c-957.22,-480.9) IC11.13@-963.4,-487.08 ; v2(-618.12,1845.16) -618.12,1860.1 -621.06,1863.04 -621.06,1865.55 -617.13,1869.49 -617.13,1880.31 C24.1.2@-614.17,1883.27
  Layer 3 w3.94: v2(-984.12,-433.07) -984.67,-427.35 -985.24,-419.29 -985.24,-397.17 ccw(c-1062.53,-397.17) -1007.87,-342.52 -1021.89,-328.5 -1048.49,-301.91 -1048.49,704.72 cw(c-1029.35,704.72) -1042.88,718.26 -1032.17,728.97 ccw(c-1043.31,740.1) -1027.56,740.1 -1027.56,1212.52 cw(c-921.18,1212.52) -996.4,1287.74 -909.52,1374.62 ccw(c-985.73,1450.83) -877.95,1450.83 -877.95,1608.19 cw(c-777.95,1608.19) -848.66,1678.9 -730.7,1796.86 cw(c-677.47,1743.59) -677.47,1818.9 -652.7,1818.9 ccw(c-652.7,1857.2) -625.62,1830.12 -624.42,1831.32 ccw(c-630.13,1837.04) -622.05,1837.04 v2(-618.12,1845.16)